# Altium PCB Thermostat_8CH.PCBDOC (part 2 of 10)
Units mil, origin at the board's own origin, x right, y up, seen from the top; angles counter-clockwise.
Board outline 8409.08 x 3937.01 mil, 4 copper layers (TOP, G1, L2, BOT), stack 61.024 mil thick; 941 components, 513 nets, 2912 pads, 1409 vias.
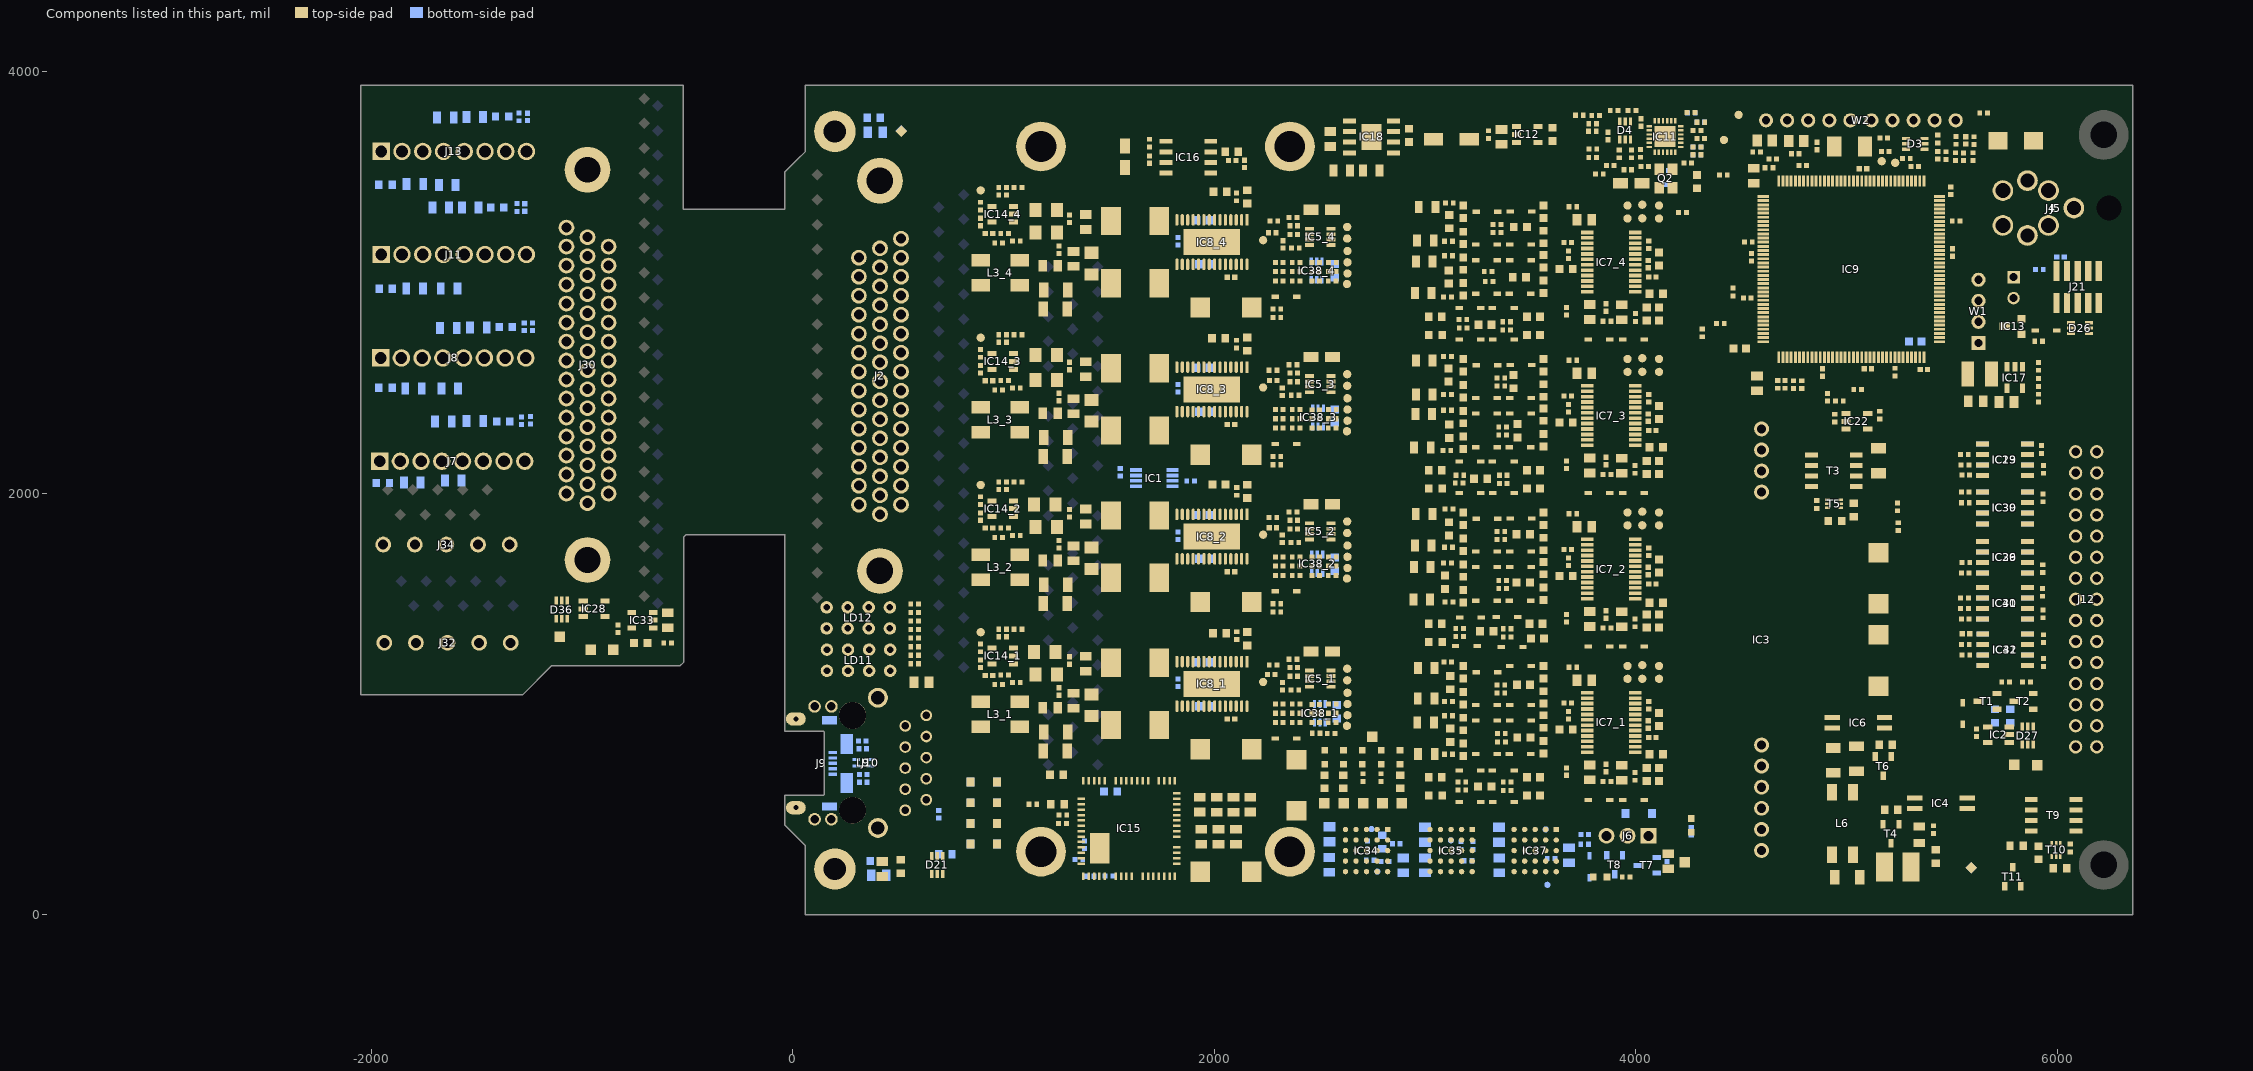
[diagram p4: the components of this part, seen from the top]

## Components (designator, comment, footprint, x,y, rotation, side; value= is the part's Value field where it differs from the comment) (continued)
D19_3 "BAS416" SOD2512X110N 3291.31,2377.89 r180 top (schematic designator D19)
D19_4 "BAS416" SOD2512X110N 3291.31,3106.24 r180 top (schematic designator D19)
D20_1 "BAS416" SOD2512X110N 3290.5,762.01 r180 top (schematic designator D20)
D20_2 "BAS416" SOD2512X110N 3290.5,1490.36 r180 top (schematic designator D20)
D20_3 "BAS416" SOD2512X110N 3290.5,2218.7 r180 top (schematic designator D20)
D20_4 "BAS416" SOD2512X110N 3290.5,2947.05 r180 top (schematic designator D20)
D21 "DRTR5V0U4S-7" SOT65P210X110-6N 685.04,236.22 r90 top
D22 "PMEG6020ER" SODFL3517X110N 905.51,433.07 r180 bottom
D23 "PMEG6020ER" SODFL3517X110N 905.51,531.5 r0 bottom
D24 "SMBJ15A" DIOM5336X265N 5803.15,3673.23 r0 top
D25 "1SMA5920BT3G" DIOM5226X220N 3125,3680.11 r0 top
D26 "DRTR5V0U4S-7" SOT65P210X110-6N 6107.89,2783.99 r180 top
D27 "DRTR5V0U4S-7" SOT65P210X110-6N 5859.72,850.48 r270 top
D28 "BAT165" SOD2512X110N 3779.74,227.64 r90 bottom
D29_1 "BAS416" SOD2512X110N 3826,544.84 r0 top (schematic designator D29)
D29_2 "BAS416" SOD2512X110N 3826,1273.19 r0 top (schematic designator D29)
D29_3 "BAS416" SOD2512X110N 3826,2001.53 r0 top (schematic designator D29)
D29_4 "BAS416" SOD2512X110N 3826,2729.88 r0 top (schematic designator D29)
D30_1 "BAS416" SOD2512X110N 3370.81,684.27 r180 top (schematic designator D30)
D30_2 "BAS416" SOD2512X110N 3387.91,1413 r180 top (schematic designator D30)
D30_3 "BAS416" SOD2512X110N 3370.81,2150.81 r180 top (schematic designator D30)
D30_4 "BAS416" SOD2512X110N 3370.81,2879.16 r180 top (schematic designator D30)
D31_1 "BAS416" SOD2512X110N 3371.99,534.67 r180 top (schematic designator D31)
D31_2 "BAS416" SOD2512X110N 3413.41,1271.22 r180 top (schematic designator D31)
D31_3 "BAS416" SOD2512X110N 3371.99,2001.2 r180 top (schematic designator D31)
D31_4 "BAS416" SOD2512X110N 3371.99,2729.55 r180 top (schematic designator D31)
D32_1 "BAS416" SOD2512X110N 3213.58,684.27 r180 top (schematic designator D32)
D32_2 "BAS416" SOD2512X110N 3215.5,1410.41 r180 top (schematic designator D32)
D32_3 "BAS416" SOD2512X110N 3213.58,2150.81 r180 top (schematic designator D32)
D32_4 "BAS416" SOD2512X110N 3213.58,2879.16 r180 top (schematic designator D32)
D33_1 "BAS416" SOD2512X110N 3212.35,534.67 r180 top (schematic designator D33)
D33_2 "BAS416" SOD2512X110N 3195.5,1275.53 r180 top (schematic designator D33)
D33_3 "BAS416" SOD2512X110N 3212.35,2001.2 r180 top (schematic designator D33)
D33_4 "BAS416" SOD2512X110N 3212.35,2729.55 r180 top (schematic designator D33)
D34_1 "BAS416" SOD2512X110N 3989.39,544.84 r0 top (schematic designator D34)
D34_2 "BAS416" SOD2512X110N 3989.39,1273.19 r0 top (schematic designator D34)
D34_3 "BAS416" SOD2512X110N 3989.39,2001.53 r0 top (schematic designator D34)
D34_4 "BAS416" SOD2512X110N 3989.39,2729.88 r0 top (schematic designator D34)
D36 "DRTR5V0U4S-7" SOT65P210X110-6N -1097.28,1447.83 r90 top
FB1 "220R@100MHz" INDC1005X55N 330.61,787.6 r180 bottom
FB2 "220R@100MHz" INDC1005X55N 334.06,666.34 r180 bottom
FTG1 "Use only in PCB" FIDUCIAL_TOP_S100-200 5591.54,222.44 r90 top
FTG2 "Use only in PCB" FIDUCIAL_TOP_S100-200 513,3720.39 r0 bottom
FTG3 "Use only in PCB" FIDUCIAL_TOP_S100-200 513,3717 r90 top
FTG4 "Use only in PCB" FIDUCIAL_TOP_S100-200 5591.54,222.44 r90 bottom
IC1 "LM75AIMM/NOPB" SOP65P490X109-8N 1714.57,2071.85 r180 bottom
IC2 "24AA02E48T-I/OT" SOT95P280X145-5N 5721.2,854.42 r180 top
IC3 "AG5300" SILVERTEL_AG5300 4596.85,1305.48 r90 top locked
IC4 "ACPL-217-500E" SOIC127P700X242-4N 5448,529 r180 top
IC5_1 "AD5680BRJZ-1500RL7" SOT65P280X145-8N 2501.97,1120.28 r0 top (schematic designator IC5)
IC5_2 "AD5680BRJZ-1500RL7" SOT65P280X145-8N 2501.97,1819.09 r0 top (schematic designator IC5)
IC5_3 "AD5680BRJZ-1500RL7" SOT65P280X145-8N 2501.97,2517.91 r0 top (schematic designator IC5)
IC5_4 "AD5680BRJZ-1500RL7" SOT65P280X145-8N 2501.97,3216.73 r0 top (schematic designator IC5)
IC6 "ACPL-217-500E" SOIC127P700X242-4N 5056.4,911.48 r0 top
IC7_1 "AD7172-2BRUZ" SOP65P640X120-24N 3882.7,912.33 r180 top (schematic designator IC7)
IC7_2 "AD7172-2BRUZ" SOP65P640X120-24N 3882.7,1640.68 r180 top (schematic designator IC7)
IC7_3 "AD7172-2BRUZ" SOP65P640X120-24N 3882.7,2369.03 r180 top (schematic designator IC7)
IC7_4 "AD7172-2BRUZ" SOP65P640X120-24N 3882.7,3097.37 r180 top (schematic designator IC7)
IC8_1 "MAX1968EUI+T" TSSOP28-EP 2154.8,1200.98 r90 top (schematic designator IC8)
IC8_2 "MAX1968EUI+T" TSSOP28-EP 2154.8,1899.8 r90 top (schematic designator IC8)
IC8_3 "MAX1968EUI+T" TSSOP28-EP 2154.8,2598.62 r90 top (schematic designator IC8)
IC8_4 "MAX1968EUI+T" TSSOP28-EP 2154.8,3297.44 r90 top (schematic designator IC8)
IC9 "STM32H743ZIT6" FP-LQFP144-1A-MFG 5022.75,3063.72 r270 top
IC11 "LAN8742A-CZ-TR" QFN24_0R5_4X4 4138.57,3692.91 r90 top
IC12 "ADP150AUJZ-3.3-R7" SOT95P280X90-5N 3484.49,3703.08 r0 top
IC13 "STM809SWX6F" SOT-23 5830.26,2754.16 r90 top
IC14_1 "LMV321ILT" SOT95P280X145-5N 995.48,1228.14 r180 top (schematic designator IC14)
IC14_2 "LMV321ILT" SOT95P280X145-5N 995.48,1926.96 r180 top (schematic designator IC14)
IC14_3 "LMV321ILT" SOT95P280X145-5N 995.48,2625.78 r180 top (schematic designator IC14)
IC14_4 "LMV321ILT" SOT95P280X145-5N 995.48,3324.6 r180 top (schematic designator IC14)
IC15 "MIC45212-1YMP-T1" MICROCHIP_QFN64_12X12 1595.53,409.25 r90 top
IC16 "ADR433BRZ" SOIC127P600X175-8N 1876.42,3595.6 r0 top
IC17 "TLV62565DBVT" SOT95P280X145-5N 5798.69,2549.37 r270 top
IC18 "ADP7102ARDZ-5.0-R7" SOIC127P600X175-9N-R241X309 2746.06,3690.94 r180 top
IC19 "FIN1028MX" SOIC127P600X175-8N 5751.72,2159.29 r180 top
IC22 "LT6106CS5#TRMPBF" SOT95P280X145-5N 5049.21,2341.76 r0 top
IC23 "FIN1027AMX" SOIC127P600X175-8N 5751.72,2159.29 r0 bottom
IC28 "24AA02E48T-I/OT" SOT95P280X145-5N -943.74,1451.77 r0 top
IC29 "FIN1028MX" SOIC127P600X175-8N 5751.71,1696.79 r180 top
IC30 "FIN1027AMX" SOIC127P600X175-8N 5751.71,1930.38 r0 top
IC31 "FIN1028MX" SOIC127P600X175-8N 5751.71,1478.79 r180 top
IC32 "FIN1027AMX" SOIC127P600X175-8N 5752.95,1256.89 r0 top
IC33 "ADP150AUJZ-3.3-R7" SOT95P280X90-5N -714.41,1397.64 r180 top
IC34 "LTM4623EV#PBF" LGA25C127P5X5_625X625X192 2722.11,304.55 r270 top
IC35 "LTM4623EV#PBF" LGA25C127P5X5_625X625X192 3123.25,304.55 r270 top
IC36 "FIN1027AMX" SOIC127P600X175-8N 5751.71,1696.79 r0 bottom
IC37 "LTM4623EV#PBF" LGA25C127P5X5_625X625X192 3522.36,304.55 r270 top
IC38_1 "74HCT2G34GW" SOT65P210X110-6N 2500.98,956.14 r90 bottom (schematic designator IC38)
IC38_2 "74HCT2G34GW" SOT65P210X110-6N 2488.31,1665.66 r90 bottom (schematic designator IC38)
IC38_3 "74HCT2G34GW" SOT65P210X110-6N 2492.13,2360.19 r90 bottom (schematic designator IC38)
IC38_4 "74HCT2G34GW" SOT65P210X110-6N 2485.44,3056.65 r90 bottom (schematic designator IC38)
IC39 "FIN1028MX" SOIC127P600X175-8N 5751.72,1930.37 r180 bottom
IC40 "FIN1027AMX" SOIC127P600X175-8N 5751.71,1478.79 r0 bottom
IC41 "FIN1028MX" SOIC127P600X175-8N 5752.95,1256.89 r180 bottom
J2 "D-Sub" AMPHENOL_ICD44S13E6GX00LF 413,2557.76 r90 top
J4 "Jack" SWITCHCRAFT_L712RA 5858.15,3223.81 r180 top
J5 "Mini-Fit Jr.™" MOLEX_39-30-0040 5850.03,3353.73 r270 top
J6 "KK®" MOLEX_22-27-2031 3960.73,374.68 r180 top
J7 "691382000008" 691382000008 -1617.06,2157.96 r0 top
J8 "691382000008" 691382000008 -1612.11,2648.15 r0 top
J9 "USB" UJ2-MIBH-4-MSMT 3.94,718.5 r270 bottom
J10 "RJ45" ABRACON_ARJM11C7-114-BA-EW2 283.04,720.87 r270 top locked
J11 "691382000008" 691382000008 -1609.16,3139.06 r0 top
J12 "" 3M_N2530-6002RB 6137.18,1496.79 r270 top locked
J13 "691382000008" 691382000008 -1609.11,3628.09 r0 top
J17 "691381000008" WURTH_691381000008 -2124,-5 r270 top
J18 "691381000008" WURTH_691381000008 -2994,10 r270 top
J21 "Header 10" HARWIN_M50-3600542 6097,2979 r180 top
J28 "691381000008" WURTH_691381000008 -2958,539 r270 top
J29 "691381000008" WURTH_691381000008 -1261,12 r270 top
J30 "D-Sub" AMPHENOL_10090926-P444XLF -974.82,2609.77 r270 top locked
J31 "" PHOENIX_1803604 -1937,771 r270 top
J32 "" PHOENIX_1803455 -1639.24,1290.55 r0 top
J33 "" PHOENIX_1803604 -1274,-209 r90 top
J34 "" PHOENIX_1803455 -1644.43,1756.67 r0 top
JP2 "1798942 (goldpin 2x 2.54)" jump 5792.58,3026.02 r0 top
L1 "10uH" IND_MURATA-PS_8400 5243,226 r180 top
L2_1 "6.8uH" INDM6965X300N 1624.02,899.89 r180 top (schematic designator L2)
L2_2 "6.8uH" INDM6965X300N 1624.02,1598.71 r180 top (schematic designator L2)
L2_3 "6.8uH" INDM6965X300N 1624.02,2297.53 r180 top (schematic designator L2)
L2_4 "6.8uH" INDM6965X300N 1624.02,2996.35 r180 top (schematic designator L2)
L3_1 "1.8uH" IND_PULSE_PA4339 984.25,950.79 r180 top (schematic designator L3)
L3_2 "1.8uH" IND_PULSE_PA4339 984.25,1649.61 r180 top (schematic designator L3)
L3_3 "1.8uH" IND_PULSE_PA4339 984.25,2348.43 r180 top (schematic designator L3)
L3_4 "1.8uH" IND_PULSE_PA4339 984.25,3047.24 r180 top (schematic designator L3)
L4_1 "6.8uH" INDM6965X300N 1624.02,1195.98 r180 top (schematic designator L4)
L4_2 "6.8uH" INDM6965X300N 1624.02,1894.8 r180 top (schematic designator L4)
L4_3 "6.8uH" INDM6965X300N 1624.02,2593.62 r180 top (schematic designator L4)
L4_4 "6.8uH" INDM6965X300N 1624.02,3292.44 r180 top (schematic designator L4)
L5 "220R@100MHz" INDC1005X55N 4572.94,3620.12 r180 top
L6 "2x1mH" IND_WURTH_WE-SL2 4980.31,433.07 r90 top
L7 "220R@100MHz" INDC1005X55N 3879.16,3555.12 r180 top
L8 "2.2uH" IND_MURATA_LQH44PN_P0 5631.32,2566.9 r180 top
L9 "90R@100MHz" IND_MURATA_DLW21S 333.66,721.35 r0 bottom
L10 "220R@100MHz" INDC1005X55N -1288,2345 r90 bottom
L11 "220R@100MHz" INDC1005X55N -1275,2790 r90 bottom
L12 "220R@100MHz" INDC1005X55N -1309,3356 r90 bottom
L13 "220R@100MHz" INDC1005X55N -1300,3786 r90 bottom
LD1 "Red" LED_KINGBRIGHT_KPH-1608SURCK 3830.43,179.27 r180 top
LD2 "Green" LED_KINGBRIGHT_KPH-1608CGCK 4262.67,424.32 r270 top
LD3 "Green" LED_KINGBRIGHT_KPH-1608CGCK 2612.5,747.39 r270 top
LD4 "Green" LED_KINGBRIGHT_KPH-1608CGCK 2791.3,747.39 r270 top
LD6 "Green" LED_KINGBRIGHT_KPH-1608CGCK 2523.1,747.39 r270 top
LD9 "Green" LED_KINGBRIGHT_KPH-1608CGCK 2701.9,747.39 r270 top
LD10 "Green" LED_KINGBRIGHT_KPH-1608CGCK 2880.7,747.39 r270 top
LD11 "Green/Green/HeRed/HeRed" LED_BIVAR_H485CHHGGDL 311.39,1207.72 r0 top
LD12 "Green/Green/HeRed/HeRed" LED_BIVAR_H485CHHGGDL 309.84,1408.72 r0 top
Q1 "8MHz" XTAL_TXC_7A 5014.45,3645.05 r180 top
Q2 "25MHz" XTAL_EPSON_TSX-3225 4142.51,3494.09 r180 top
R1 "82k" RESC1608X55N 5704.47,943.51 r270 bottom
R2 "82k" RESC1608X55N 5776.32,943.5 r270 bottom
R3 "2k4" RESC1005X40N 5853.82,1103.94 r180 top
R4 "2k4" RESC1005X40N 5755.45,1103.94 r0 top
R5 "51k" RESC1005X40N 1887.8,2059.06 r180 bottom
R6 "1k" RESC1005X40N 3953.79,179.27 r0 top
R7 "2k2" RESC1005X40N 4673.23,2516.93 r270 top
R8 "2k2" RESC1005X40N 4708.66,2516.93 r270 top
R9 "10k" RESC1005X40N 4401,2805 r180 top
R10 "1k3" RESC1608X55N 2522.8,631.35 r90 top
R11 "330" RESC1005X40N 3826.77,3515.75 r180 top
R12 "49R9" RESC1005X40N 3897.27,3817.34 r0 top
R13 "10k" RESC1005X40N 4148.36,234.36 r270 bottom
R14 "82k" RESC1608X55N 5423.23,276.46 r270 top
R15 "49R9" RESC1005X40N 3981.72,3817 r180 top
R16 "220" RESC1608X55N 5186.36,807.17 r0 top
R17 "330" RESC1005X40N 3732.05,3794.24 r180 top
R18 "49R9" RESC1005X40N 3921.48,3611.22 r90 top
R19 "49R9" RESC1005X40N 3979.9,3611.22 r90 top
R20 "10k" RESC1005X40N 4290.38,3643.7 r180 bottom
R21 "10k" RESC1005X40N 4289.16,3605.32 r180 bottom
R22 "10k" RESC1005X40N 4307.67,3760.71 r180 bottom
R23 "33" RESC1005X40N 4290.38,3643.7 r180 top
R24 "33" RESC1005X40N 4290.15,3606.3 r180 top
R25 "10k" RESC1005X40N 4290.38,3722.44 r0 top
R26 "12k1" RESC1005X40N 4021.45,3613.19 r270 top
R27 "33" RESC1005X40N 4308.65,3760.71 r180 top
R28 "10k" RESC1005X40N 3809.36,3793.31 r0 top
R29 "33" RESC1005X40N 4261.74,3806.89 r180 top
R30 "33k" RESC1005X40N 5241.78,1935.55 r90 top
R31 "10k" RESC1005X40N 5245.42,1841.99 r90 top
R32 "10k" RESC1005X40N 4533.58,3191.67 r0 top
R33 "10k" RESC1005X40N 5914.63,3062.83 r180 bottom
R34 "10k" RESC1005X40N 5229.44,2574.74 r270 top
R35 "20k" RESC1005X40N 5413.39,403.54 r90 top
R36_1 "33" RESC1005X40N 3863.01,631.71 r0 top (schematic designator R36)
R36_2 "33" RESC1005X40N 3863.01,1360.06 r0 top (schematic designator R36)
R36_3 "33" RESC1005X40N 3863.01,2088.41 r0 top (schematic designator R36)
R36_4 "33" RESC1005X40N 3863.01,2816.75 r0 top (schematic designator R36)
R37_1 "33" RESC1005X40N 3996.87,656.91 r90 top (schematic designator R37)
R37_2 "33" RESC1005X40N 3996.87,1385.26 r90 top (schematic designator R37)
R37_3 "33" RESC1005X40N 3996.87,2113.61 r90 top (schematic designator R37)
R37_4 "33" RESC1005X40N 3998,2834 r90 top (schematic designator R37)
R38_1 "33" RESC1005X40N 3700.89,1174.56 r180 top (schematic designator R38)
R38_2 "33" RESC1005X40N 3700.89,1902.9 r180 top (schematic designator R38)
R38_3 "33" RESC1005X40N 3700.89,2631.25 r180 top (schematic designator R38)
R38_4 "33" RESC1005X40N 3700.89,3359.6 r180 top (schematic designator R38)
R39 "6k8" RESC1005X40N 2705.08,650.64 r90 top
R40_1 "51" RESC1005X40N 3107.47,1198.56 r0 top (schematic designator R40)
R40_2 "51" RESC1005X40N 3113.5,1925.73 r0 top (schematic designator R40)
R40_3 "51" RESC1005X40N 3106.05,2649.83 r0 top (schematic designator R40)
R40_4 "51" RESC1005X40N 3114.88,3376.96 r0 top (schematic designator R40)
R41_1 "2k7" RESC1005X40N 3359.44,1090.85 r0 top (schematic designator R41)
R41_2 "2k7" RESC1005X40N 3359.44,1819.19 r0 top (schematic designator R41)
R41_3 "2k7" RESC1005X40N 3359.44,2547.54 r0 top (schematic designator R41)
R41_4 "2k7" RESC1005X40N 3340.94,3275.89 r0 top (schematic designator R41)
R42_1 "51" RESC1005X40N 3111.02,1011.64 r0 top (schematic designator R42)
R42_2 "51" RESC1005X40N 3111,1744.01 r0 top (schematic designator R42)
R42_3 "51" RESC1005X40N 3106.05,2469 r0 top (schematic designator R42)
R42_4 "51" RESC1005X40N 3111,3196.17 r0 top (schematic designator R42)
R43_1 "2k7" RESC1005X40N 3359.44,1052.77 r0 top (schematic designator R43)
R43_2 "2k7" RESC1005X40N 3359.44,1781.12 r0 top (schematic designator R43)
R43_3 "2k7" RESC1005X40N 3359.44,2509.46 r0 top (schematic designator R43)
R43_4 "2k7" RESC1005X40N 3340.94,3237.81 r0 top (schematic designator R43)
R44_1 "5k" RESC2013X64N 3004.34,1026.92 r180 top (schematic designator R44)
R44_2 "5k" RESC2013X64N 2991.49,1751.72 r180 top (schematic designator R44)
R44_3 "5k" RESC2013X64N 2996.11,2468.23 r180 top (schematic designator R44)
R44_4 "5k" RESC2013X64N 3001.77,3198.72 r180 top (schematic designator R44)
R46_1 "51" RESC1005X40N 3111.02,944 r0 top (schematic designator R46)
R46_2 "51" RESC1005X40N 3106.28,1668.78 r0 top (schematic designator R46)
R46_3 "51" RESC1005X40N 3106.42,2394.27 r0 top (schematic designator R46)
R46_4 "51" RESC1005X40N 3111,3127.6 r0 top (schematic designator R46)
R47_1 "2k7" RESC1005X40N 3362.23,860.3 r0 top (schematic designator R47)
R47_2 "2k7" RESC1005X40N 3368.42,1586.29 r0 top (schematic designator R47)
R47_3 "2k7" RESC1005X40N 3368.42,2314.64 r0 top (schematic designator R47)
R47_4 "2k7" RESC1005X40N 3298.84,3052.45 r0 top (schematic designator R47)
R48_1 "51" RESC1005X40N 3111.02,761.58 r0 top (schematic designator R48)
R48_2 "51" RESC1005X40N 3113.5,1484.01 r0 top (schematic designator R48)
R48_3 "51" RESC1005X40N 3102.98,2202.62 r0 top (schematic designator R48)
R48_4 "51" RESC1005X40N 3106.05,2931.85 r0 top (schematic designator R48)
R49_1 "2k7" RESC1005X40N 3362.58,820.54 r0 top (schematic designator R49)
R49_2 "2k7" RESC1005X40N 3368.42,1548.89 r0 top (schematic designator R49)
R49_3 "2k7" RESC1005X40N 3368.42,2277.24 r0 top (schematic designator R49)
R49_4 "2k7" RESC1005X40N 3304.25,3005.58 r0 top (schematic designator R49)
R50_1 "5k" RESC2013X64N 3002.15,911.7 r180 top (schematic designator R50)
R50_2 "5k" RESC2013X64N 2986.01,1649.55 r180 top (schematic designator R50)
R50_3 "5k" RESC2013X64N 2993.66,2375.18 r180 top (schematic designator R50)
R50_4 "5k" RESC2013X64N 2995.31,3100.15 r180 top (schematic designator R50)
R51_1 "0R1" RESC3216X65N 1244.02,777.32 r0 top (schematic designator R51)
R51_2 "0R1" RESC3216X65N 1244.02,1476.13 r0 top (schematic designator R51)
R51_3 "0R1" RESC3216X65N 1244.02,2174.95 r0 top (schematic designator R51)
R51_4 "0R1" RESC3216X65N 1244.02,2873.77 r0 top (schematic designator R51)
R52_1 "0R1" RESC3216X65N 1246.91,867.28 r0 top (schematic designator R52)
R52_2 "0R1" RESC3216X65N 1246.91,1566.09 r0 top (schematic designator R52)
R52_3 "0R1" RESC3216X65N 1246.91,2264.91 r0 top (schematic designator R52)
R52_4 "0R1" RESC3216X65N 1246.91,2963.73 r0 top (schematic designator R52)
R53 "10k" RESC1005X40N 5284.15,3589.57 r0 top
R54 "1k3" RESC1608X55N 2882.32,631.35 r90 top
R55_1 "10k" RESC1005X40N 2558.86,911.7 r180 top (schematic designator R55)
R55_2 "10k" RESC1005X40N 2558.86,1610.52 r180 top (schematic designator R55)
R55_3 "10k" RESC1005X40N 2558.86,2309.34 r180 top (schematic designator R55)
R55_4 "10k" RESC1005X40N 2558.86,3008.15 r180 top (schematic designator R55)
R56_1 "10k" RESC1005X40N 2387.8,911.7 r180 top (schematic designator R56)
R56_2 "10k" RESC1005X40N 2387.8,1610.52 r180 top (schematic designator R56)
R56_3 "10k" RESC1005X40N 2387.8,2309.34 r180 top (schematic designator R56)
R56_4 "10k" RESC1005X40N 2387.8,3008.15 r180 top (schematic designator R56)
R57_1 "10k" RESC1005X40N 2560.04,956.14 r180 top (schematic designator R57)
R57_2 "10k" RESC1005X40N 2560.04,1654.96 r180 top (schematic designator R57)
R57_3 "10k" RESC1005X40N 2560.04,2353.78 r180 top (schematic designator R57)
R57_4 "10k" RESC1005X40N 2560.04,3052.59 r180 top (schematic designator R57)
R58_1 "10k" RESC1005X40N 2387.8,956.14 r180 top (schematic designator R58)
R58_2 "10k" RESC1005X40N 2387.8,1654.96 r180 top (schematic designator R58)
R58_3 "10k" RESC1005X40N 2387.8,2353.78 r180 top (schematic designator R58)
R58_4 "10k" RESC1005X40N 2387.8,3052.59 r180 top (schematic designator R58)
R59_1 "10k" RESC1005X40N 2560.04,999.31 r180 top (schematic designator R59)
R59_2 "10k" RESC1005X40N 2560.04,1698.13 r180 top (schematic designator R59)
R59_3 "10k" RESC1005X40N 2560.04,2396.95 r180 top (schematic designator R59)
R59_4 "10k" RESC1005X40N 2560.04,3095.77 r180 top (schematic designator R59)
R60_1 "10k" RESC1005X40N 2387.8,999.31 r180 top (schematic designator R60)
R60_2 "10k" RESC1005X40N 2387.8,1698.13 r180 top (schematic designator R60)
R60_3 "10k" RESC1005X40N 2387.8,2396.95 r180 top (schematic designator R60)
R60_4 "10k" RESC1005X40N 2387.8,3095.77 r180 top (schematic designator R60)
R61 "10k" RESC1005X40N 5183.62,3622.6 r0 top
R62 "10k" RESC1005X40N 5911.67,2721.3 r0 top
R63 "10k" RESC1005X40N 5519.68,3291.34 r0 top
R64 "10" RESC2012X60N 5345,380 r270 top
R65 "1k3" RESC1608X55N 5034.07,1921.27 r90 top
R66 "82k" RESC1608X55N 5211.91,497.92 r0 top
R67 "10k" RESC1005X40N 4460.37,2955.45 r270 top
R68 "82k" RESC1608X55N 4944.87,1868.42 r180 top
R69 "0R005" RESC3216X80N 5151.57,2153.97 r90 top
R70 "33" RESC1005X40N 4415.37,3510.83 r180 top
R71_1 "33" RESC1005X40N 2373.03,1212.6 r180 top (schematic designator R71)
R71_2 "33" RESC1005X40N 2373.03,1911.42 r180 top (schematic designator R71)
R71_3 "33" RESC1005X40N 2373.03,2610.24 r180 top (schematic designator R71)
R71_4 "33" RESC1005X40N 2373.03,3309.06 r180 top (schematic designator R71)
R72_1 "10k" RESC1005X40N 994.95,1354.47 r180 top (schematic designator R72)
R72_2 "10k" RESC1005X40N 994.95,2053.29 r180 top (schematic designator R72)
R72_3 "10k" RESC1005X40N 994.95,2752.11 r180 top (schematic designator R72)
R72_4 "10k" RESC1005X40N 994.95,3450.93 r180 top (schematic designator R72)
R73 "24k" RESC1608X55N 723.43,286.42 r180 bottom
R74_1 "10k" RESC1005X40N 995.02,1319.04 r180 top (schematic designator R74)
R74_2 "10k" RESC1005X40N 995.02,2017.86 r180 top (schematic designator R74)
R74_3 "10k" RESC1005X40N 995.02,2716.68 r180 top (schematic designator R74)
R74_4 "10k" RESC1005X40N 995.02,3415.49 r180 top (schematic designator R74)
R75 "10k" RESC1005X40N 5052.28,2491.88 r180 top
R76_1 "20k" RESC1005X40N 1068.03,1354.47 r180 top (schematic designator R76)
R76_2 "20k" RESC1005X40N 1068.03,2053.29 r180 top (schematic designator R76)
R76_3 "20k" RESC1005X40N 1068.03,2752.11 r180 top (schematic designator R76)
R76_4 "20k" RESC1005X40N 1068.03,3450.93 r180 top (schematic designator R76)
R77_1 "10k" RESC1005X40N 890.17,1266.33 r270 top (schematic designator R77)
R77_2 "10k" RESC1005X40N 890.17,1965.15 r270 top (schematic designator R77)
R77_3 "10k" RESC1005X40N 890.17,2663.97 r270 top (schematic designator R77)
R77_4 "10k" RESC1005X40N 890.17,3362.79 r270 top (schematic designator R77)
R78_1 "20k" RESC1005X40N 1059.98,1101.62 r180 top (schematic designator R78)
R78_2 "20k" RESC1005X40N 1059.98,1800.44 r180 top (schematic designator R78)
R78_3 "20k" RESC1005X40N 1059.98,2499.26 r180 top (schematic designator R78)
R78_4 "20k" RESC1005X40N 1059.98,3198.08 r180 top (schematic designator R78)
R79_1 "10k" RESC1005X40N 976.52,1091.92 r0 top (schematic designator R79)
R79_2 "10k" RESC1005X40N 976.52,1790.74 r0 top (schematic designator R79)
R79_3 "10k" RESC1005X40N 976.52,2489.56 r0 top (schematic designator R79)
R79_4 "10k" RESC1005X40N 976.52,3188.38 r0 top (schematic designator R79)
R80_1 "10k" RESC1005X40N 1004.34,1137.1 r0 top (schematic designator R80)
R80_2 "10k" RESC1005X40N 1004.34,1835.92 r0 top (schematic designator R80)
R80_3 "10k" RESC1005X40N 1004.34,2534.74 r0 top (schematic designator R80)
R80_4 "10k" RESC1005X40N 1004.34,3233.56 r0 top (schematic designator R80)
R81 "1k6" RESC1005X40N 5604.13,3673.78 r90 top
R82 "10k" RESC1005X40N 5516.41,3597.18 r90 top